# Altium PCB Dashcam.PcbDoc (part 5 of 6)
Units mm, origin at the board's own origin, x right, y up, seen from the top; angles counter-clockwise.
Board outline 90.03 x 65.03 mm, 6 copper layers (TOP, L2_GND, L3_IN1, L4_POWER, L5_GND_2, BOTTOM), stack 1.128 mm thick; 287 components, 444 nets, 1760 pads, 0 vias.
Unrouted connection lines stored in the file: 908.
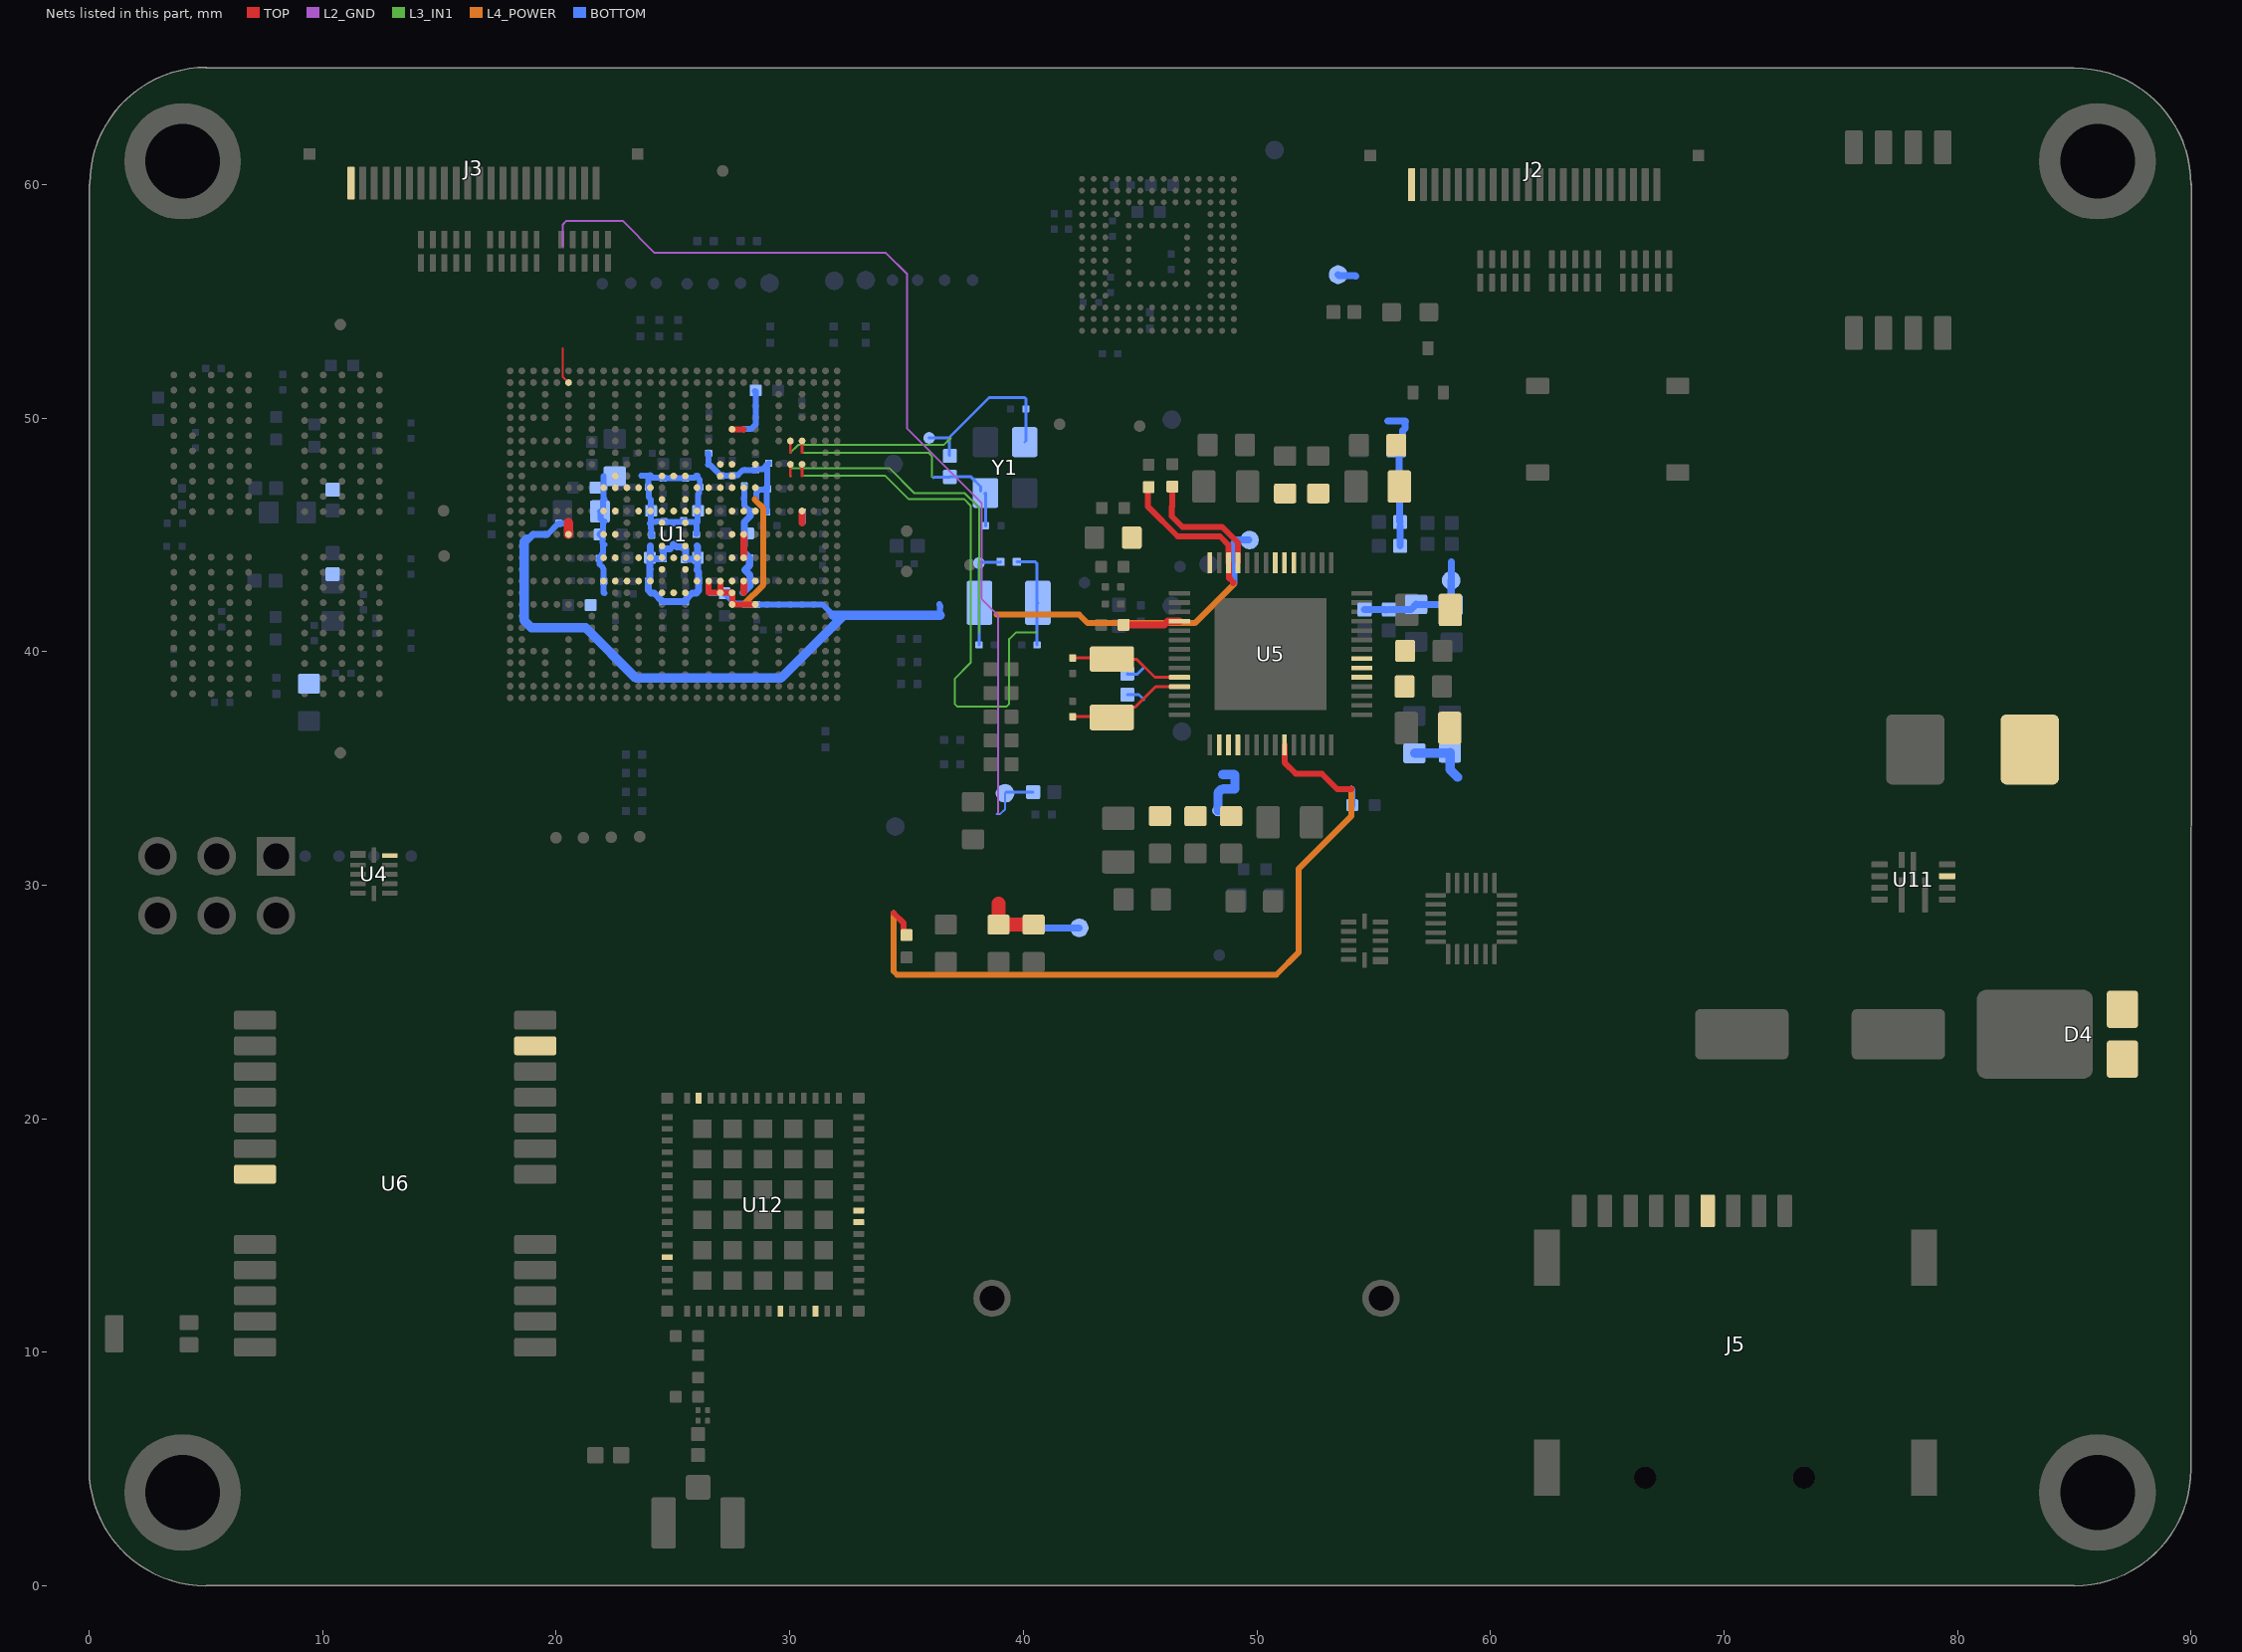
[diagram p9: the nets of this part, all layers, seen from the top]

## Nets (pads, with @x,y where several pads share a name; then routed paths per layer and width w, separated by ;. In a path a pad name is that pad's centre, name@x,y a point inside that pad or via, vN(x,y) a via of type N, cw(c..) or ccw(c..) an arc to the next point about the centre after c; other vN are vias at no path point) (continued)
VDD_ARM: C11.2 C12.2 C13.2 C14.2 C15.2 C19.2 C20.2 C21.2 C22.2 C23.2 C103.2 C104.2 L1.2 R35.2 R36.2 TP21.1 U1.T14 U1.T16 U1.U12 U1.U13 U1.U14 U1.U15 U1.U16 U1.U17 U1.V14 U1.V16 U1.W12 U1.W13 U1.W17 U1.Y14 U1.Y15 U1.Y16 | length 14.9
  BOTTOM w0.3: C20.2@23.938,43.012 23.94,43.009 23.94,42.641 24.027,42.555 ; C20.2@23.938,43.037 24.008,43.107 24.008,43.505 24.028,43.525 24.014,43.539 C11.2@24.014,43.901 ; C11.2@24.02,44.059 24.02,44.517 24.028,44.525 ; 24.028,42.525 24.048,42.505 24.191,42.505 C22.2@24.548,42.148 ; C11.2@24.04,44.002 24.063,43.979 24.57,43.979 C14.2@24.573,43.977 ; C22.2@24.573,42.148 C23.2@25.538,42.148 ; C14.2@24.573,44.002 C12.2@24.573,44.409 24.883,44.409 ; 25.002,44.601 25.031,44.601 25.147,44.485 C13.2@25.487,44.485 ; C23.2@25.487,42.174 25.819,42.505 26.008,42.505 26.028,42.525 ; C13.2@25.538,44.409 25.538,43.952 25.541,43.954 25.947,43.954 C19.2@25.995,44.002 ; 26.021,42.529 26.021,42.547 26.095,42.621 26.095,43.035 C21.2@26.097,43.037 26.095,43.04 26.095,43.429 26.028,43.496 26.028,43.525 26.048,43.545 26.048,43.95 C19.2@26.046,43.952 ; 26.028,44.525 26.048,44.505 C19.2@26.048,44.127 ; 55.603,49.891 56.34,49.891 56.365,49.866 56.345,49.846 56.345,49.566 56.246,49.468 56.246,49.074 C104.2@55.99,48.818 ; C104.2@55.971,48.799 C104.2@55.99,48.818 ; TP21.1@56.086,47.097 56.086,48.723 C104.2@55.99,48.818 ; TP21.1@56.107,47.05 56.107,45.57 R35.2@56.129,45.548 ; R36.2@56.129,44.532 R35.2@56.129,45.377
VDD_MIPI_1V2_CAP: C63.2 U1.F20 | length 2.6
  TOP w0.254: U1.F20@27.508,49.511 27.522,49.525 U1.F20@27.528,49.525 28.028,49.525
  BOTTOM w0.254: 28.028,49.525 28.035,49.532 28.339,49.532 28.538,49.731 28.538,51.137 C63.2@28.51,51.165
VDD_SNVS_0V8: C6.2 U1.N26 | length 0.9
  TOP w0.3: 30.528,45.525 U1.N26@30.528,46.025
  BOTTOM w0.3: 30.542,45.539 C6.2@30.542,45.984
VDD_SOC: C25.2 C26.2 C27.2 C28.2 C29.2 C30.2 C31.2 C32.2 C38.2 C39.2 C40.2 C41.2 C46.2 C47.2 C48.2 C49.2 C50.2 C51.2 C52.2 C53.2 C107.2 C108.2 C112.2 C113.2 L2.2 L3.2 R37.2 R38.2 TP1.1 TP39.1 U1.K10 U1.K14 U1.K15 U1.K16 U1.L9 U1.L10 U1.L11 U1.L12 U1.L13 U1.L17 U1.L18 U1.L19 U1.L20 U1.L21 U1.M14 U1.M16 U1.N9 U1.N10 U1.N12 U1.N13 U1.N14 U1.N15 U1.N16 U1.N17 U1.N18 U1.N20 U1.N21 U1.P14 U1.P16 U1.R9 U1.R10 U1.R20 U1.R21 U1.U9 U1.U10 U1.U20 U1.U21 U1.W9 U1.W10 U1.W11 U1.W20 U1.W21 U1.W22 | length 29.7
  TOP w0.3: U1.U21@28.019,44.024 28.028,44.033 28.028,44.525 28.028,45.005 28.019,45.014 28.028,45.024 U1.R21@28.028,45.025 ; 28.028,42.534 U1.W21@28.028,43.025
  BOTTOM w0.254: C41.2@21.83,44.002 21.855,43.977 21.855,43.748 21.982,43.621 ; C41.2@21.855,44.053 21.999,44.197 21.999,44.496 22.028,44.525 ; C38.2@21.858,45.018 21.985,44.891 21.985,44.66 21.999,44.646 21.999,44.595 22.007,44.587 22.058,44.587 ; C38.2@21.881,45.069 21.909,45.069 21.985,45.145 21.985,45.173 21.999,45.187 21.999,45.496 22.028,45.525 ; C40.2@21.881,46.009 21.906,45.983 21.906,45.688 22.017,45.577 22.058,45.577 ; C40.2@21.999,46.127 21.999,46.496 22.028,46.525 ; 22.028,43.525 22.031,43.522 22.031,43.014 C47.2@22.033,43.012 22.031,43.009 22.031,42.532 22.058,42.504 ; 22.028,47.525 22.031,47.522 22.031,47.076 22.056,47.05 C39.2@22.058,47.05 ; C39.2@22.033,47.05 22.031,47.048 22.031,46.57 22.058,46.542 ; 23.633,47.533 24.02,47.533 24.028,47.525 ; C28.2@23.938,47.05 23.963,47.025 23.963,46.631 ; C28.2@23.938,47.101 23.938,47.394 ; 24.014,45.501 24.039,45.526 24.039,45.537 ; 24.014,47.558 24.036,47.558 24.137,47.457 24.547,47.457 C26.2@24.573,47.431 ; 24.028,46.525 24.045,46.508 C25.2@24.045,46.017 ; C25.2@24.062,46.034 C25.2@24.045,46.017 ; C52.2@24.09,44.968 24.065,44.993 24.065,45.26 24.039,45.285 24.039,45.513 24.033,45.52 24.028,45.525 24.039,45.537 ; C31.2@24.497,45.577 24.294,45.577 24.271,45.554 24.057,45.554 24.039,45.537 ; C31.2@24.573,45.577 24.599,45.552 24.958,45.552 25.005,45.505 25.005,45.501 ; C26.2@24.573,47.406 24.598,47.431 C27.2@25.538,47.431 25.564,47.457 25.918,47.457 25.995,47.533 26.046,47.533 ; 25.028,45.525 25.057,45.554 25.439,45.554 C32.2@25.487,45.603 ; C32.2@25.538,45.577 25.564,45.552 25.995,45.552 26.021,45.526 26.051,45.557 26.051,46.011 C29.2@26.074,46.034 ; C53.2@25.995,45.044 26.012,45.044 26.012,45.509 26.028,45.525 ; 26.028,47.525 26.028,47.484 26.148,47.364 C30.2@26.148,47.076 ; C29.2@26.072,46.06 26.072,46.746 26.122,46.796 26.122,47.025 C30.2@26.148,47.05 ; 28.027,46.593 28.051,46.593 28.053,46.595 C48.2@28.053,47.101 ; 28.028,46.525 28.057,46.496 28.057,46.259 C49.2@28.307,46.009 ; 24.039,45.537 24.039,46.011 C25.2@24.045,46.017
  BOTTOM w0.3: 28.002,42.529 28.304,42.831 28.304,43.06 C51.2@28.307,43.063 ; 28.027,44.46 28.027,44.282 C50.2@28.281,44.028 28.279,44.025 28.279,43.695 28.104,43.52 ; 28.028,44.525 28.048,44.545 28.048,45.018 28.048,45.526 ; 28.053,45.526 28.053,45.555 28.307,45.809 C49.2@28.307,45.958 ; 28.078,43.52 28.078,43.491 28.281,43.288 C51.2@28.281,43.139 ; TP1.1@53.478,56.144 53.512,56.11 54.209,56.11 54.229,56.09 ; R38.2@54.612,41.807 55.509,41.807 R37.2@55.527,41.789 ; R37.2@55.654,41.807 56.599,41.807 C108.2@56.822,42.03 56.835,42.017 C107.2@58.143,42.017 ; C113.2@56.746,35.655 C113.2@56.759,35.667 ; TP39.1@58.319,43.057 58.319,42.031 C107.2@58.346,42.004 ; TP39.1@58.321,43.059 58.321,43.846
  BOTTOM w0.4: C113.2@56.759,35.667 C112.2@58.194,35.667 ; C112.2@58.27,35.68 58.27,34.956 58.6,34.626
VDDA_1V8: C7.2 C33.2 C34.2 C35.2 C36.2 C37.2 C42.2 C43.2 C44.2 C45.2 C114.2 TP41.1 U1.AA20 U1.AA22 U1.J19 U1.J20 U1.J22 U1.K19 U1.K20 U1.L22 U1.N22 U1.R6 U1.W18 U1.W19 U1.Y19 U1.Y20 U5.54 | length 67
  TOP w0.254: 26.52,42.525 26.528,42.533 U1.W18@26.528,43.025 ; 26.528,42.525 U1.Y19@26.977,42.525 ; U1.Y19@27.028,42.525 U1.Y20@27.434,42.525 ; U1.Y19@27.028,42.551 U1.W19@27.028,43.025 ; U1.Y20@27.528,42.525 27.535,42.518 27.535,42.044 27.554,42.025 28.028,42.025 U1.AA22@28.528,42.025 ; C114.2@45.341,46.97 45.341,46.208 46.611,44.938 48.421,44.938 48.788,44.571 U5.54@48.788,43.806 48.815,43.779 48.815,43.157 48.995,42.976 48.995,42.953 48.974,42.932
  TOP w0.4: U1.R6@20.528,45.025 20.528,45.525
  L4_POWER w0.254: 28.028,42.025 28.868,42.865 28.868,46.144 28.501,46.511 28.501,46.538 ; 38.864,41.585 42.394,41.585 42.756,41.223 47.341,41.223 49.024,42.906
  BOTTOM w0.254: 19.62,45.018 C34.2@20.102,45.501 20.534,45.501 ; 26.503,48.016 26.523,47.996 26.599,47.996 C43.2@27.062,47.533 ; C42.2@26.503,48.498 26.528,48.473 26.528,48.026 ; 26.58,42.555 26.58,42.532 26.598,42.513 C33.2@27.028,42.513 ; C43.2@27.088,47.533 C44.2@27.545,47.533 ; C33.2@27.215,42.501 27.662,42.054 27.969,42.054 28.002,42.021 ; C44.2@27.596,47.558 27.77,47.558 27.987,47.775 28.028,47.775 ; 28.028,42.025 C35.2@28.565,42.025 ; 28.078,47.787 28.084,47.781 28.529,47.781 C45.2@28.535,47.787 28.554,47.806 28.834,47.806 C7.2@29.044,48.016 ; 28.528,46.525 28.557,46.554 28.557,46.8 28.706,46.949 28.967,46.949 29.018,46.898 C36.2@29.018,45.984 ; C35.2@28.586,42.021 31.406,42.021 31.863,41.564 ; C37.2@29.044,46.974 C7.2@29.044,48.016 ; C7.2@29.094,48.066 C7.2@29.044,48.016 ; 36.406,42.043 36.406,42.001 36.451,41.956 36.451,41.894 36.435,41.877 36.435,41.581
  BOTTOM w0.3: 18.744,44.828 18.82,44.828 19.01,45.018 19.62,45.018 ; 49.024,42.906 49.024,44.659 49.151,44.786 TP41.1@49.659,44.786
  BOTTOM w0.4: 18.744,44.828 18.623,44.707 18.623,41.342 18.934,41.031 21.257,41.031 23.416,38.872 29.624,38.872 32.317,41.564 ; 31.863,41.564 32.317,41.564 ; 36.435,41.564 32.317,41.564
VEXT_3V3: C158.2 C159.2 C160.2 C161.2 J2.22 J3.22 U4.11
VGPS_3V3: R57.2 R58.2 R60.1 U6.7 U6.23
VIN: D4.A
VINT: C130.2 U5.4 | length 2.5
  TOP w0.3: C130.2@44.297,41.154 46.044,41.154 46.196,41.306 U5.4@46.688,41.306
VSD_3V3: C128.2 C137.2 J5.P4 U5.23 | length 34.2
  TOP w0.254: 34.445,28.809 34.877,28.377 34.877,27.994 C137.2@35.004,27.867 ; U5.23@51.188,36.006 51.188,35.257 51.666,34.778 52.784,34.778 53.444,34.118 54.054,34.118
  L4_POWER w0.254: 34.445,28.809 34.445,28.2 34.445,26.316 34.594,26.168 50.828,26.168 51.793,27.133 51.793,30.714 54.054,32.975 54.054,34.118 54.054,34.143
  BOTTOM w0.3: 54.054,34.118 54.068,34.104 C128.2@54.068,33.418
VSYS: 
VSYS_5V: C102.2 C105.2 C109.2 C111.2 C118.2 C119.2 C121.2 C126.2 C129.2 C133.2 C134.2 L7.2 TP48.1 TP56.1 U5.16 U5.17 U5.18 U5.33 U5.34 U5.35 U5.47 U5.48 U5.49 U5.53 U5.56 U11.5 | length 12.4
  TOP w0.254: C129.2@46.383,47.074 46.37,47.062 46.37,46.221 46.357,46.208 46.357,45.802 46.815,45.345 48.515,45.345 49.188,44.672 U5.53@49.188,43.806
  TOP w0.6: 38.941,29.216 C133.2@38.941,28.314 C134.2@40.439,28.314
  BOTTOM w0.3: 40.541,28.25 40.617,28.174 TP56.1@42.395,28.174 ; TP48.1@48.339,33.178 TP48.1@48.339,33.203 ; 48.491,34.115 48.491,34.143 ; 48.567,34.118 48.572,34.123 ; 49.03,34.748 49.05,34.727 49.062,34.715 ; 49.055,34.123 49.075,34.143 49.062,34.156
  BOTTOM w0.4: TP48.1@48.339,33.203 48.339,33.962 48.491,34.115 ; 48.542,34.748 49.03,34.748 ; 48.572,34.123 49.055,34.123 ; 49.062,34.156 49.062,34.715
VTREF: 
WAKEUP_BT: U12.41
WAKEUP_BT_HOST: U12.30
WAKEUP_WLAN: U12.40
WAKEUP_WLAN_HOST: U12.27
WDOG_B: R44.1 TP54.1 U1.B6 | length 45.3
  TOP w0.085: 20.278,52.99 20.278,51.774 U1.B6@20.528,51.525
  L2_GND w0.085: 20.272,57.359 20.272,58.276 20.447,58.452 22.845,58.452 24.216,57.08 34.112,57.08 35.027,56.166 35.027,49.554 38.225,46.355 38.225,42.248 38.913,41.561 38.913,33.103 38.964,33.052
  BOTTOM w0.085: 38.862,33.052 39.014,33.052 39.22,33.257 TP54.1@39.22,33.94
  BOTTOM w0.127: TP54.1@39.271,33.991 R44.1@40.421,33.991
WIFI_1V8: U12.14 U12.63
XIN_32K: C131.2 R50.1 U5.10 Y3.1 | length 5.8
  TOP w0.127: C131.2@42.116,39.731 43.747,39.731 Y3.1@43.792,39.686 43.797,39.681 44.858,39.681 45.634,38.906 U5.10@46.688,38.906
  BOTTOM w0.127: R50.1@44.452,39.064 44.486,39.03 44.868,39.03 45.164,39.325
XOUT_32K: C132.2 R50.2 U5.11 Y3.2 | length 6.2
  TOP w0.127: C132.2@42.116,37.217 43.761,37.217 Y3.2@43.792,37.186 ; Y3.2@43.589,36.963 44.261,37.635 44.794,37.635 45.665,38.506 U5.11@46.688,38.506
  BOTTOM w0.127: R50.2@44.452,38.164 44.95,38.164 45.16,37.953 45.164,37.953
XTALI_24M: C68.2 R13.1 TP17.1 U1.G25 Y1.3 | length 15.2
  TOP w0.12: 30.028,48.525 U1.G25@30.028,49.025
  L3_IN1 w0.085: 30.028,48.525 30.355,48.853 32.946,48.853 32.972,48.853 36.592,48.853 36.876,49.136
  BOTTOM w0.085: R13.1@36.832,48.411 R13.1@36.858,48.385 ; Y1.3@40.06,48.975 Y1.3@40.109,49.023
  BOTTOM w0.127: TP17.1@35.969,49.155 35.98,49.166 36.847,49.166 36.876,49.136 ; R13.1@36.832,48.411 36.832,49.18 38.534,50.882 40.059,50.882 40.109,50.832 C68.2@40.109,50.399 Y1.3@40.109,49.023
XTALI_32K: C66.2 R12.1 TP14.1 U1.J25 Y2.2 | length 19.4
  TOP w0.12: 30.028,47.525 U1.J25@30.028,48.025
  L3_IN1 w0.085: 30.046,47.543 30.028,47.525 30.025,47.528 30.025,47.783 30.101,47.859 34.267,47.859 35.333,46.793 37.49,46.793 38.102,46.181 38.102,40.823
  BOTTOM w0.127: C66.2@38.102,40.29 38.102,40.823 38.102,42.073 Y2.2@38.122,42.093 38.102,42.113 TP14.1@38.102,43.795 38.128,43.821 38.997,43.821 R12.1@39.022,43.846
XTALO_24M: C69.2 R13.2 U1.G26 Y1.1 | length 10.9
  TOP w0.12: 30.528,48.525 U1.G26@30.528,49.025
  L3_IN1 w0.085: 30.528,48.525 35.938,48.525 36.096,48.367 36.096,47.478
  BOTTOM w0.127: 36.147,47.453 36.172,47.478 36.851,47.478 R13.2@36.858,47.485 37.765,47.485 38.176,47.074 Y1.1@38.176,46.869 ; Y1.1@38.352,46.767 Y1.1@38.38,46.795 38.382,46.793 C69.2@38.382,45.395
XTALO_32K: C67.2 R12.2 U1.J26 Y2.1 | length 27.9
  TOP w0.12: 30.528,47.525 U1.J26@30.528,48.025
  L3_IN1 w0.085: 30.532,47.529 34.089,47.529 35.079,46.539 37.467,46.539 37.747,46.259 37.747,39.528 37.061,38.842 37.061,37.775 37.188,37.648 39.271,37.648 39.398,37.775 39.398,40.544 39.677,40.823 40.592,40.823
  BOTTOM w0.127: R12.2@39.722,43.846 40.517,43.846 40.591,43.772 40.591,42.124 Y2.1@40.622,42.093 40.592,42.063 40.592,40.823 C67.2@40.591,40.29
pads on no net: D10.1 D10.2 D10.9 D10.10 D13.1 D13.2 D13.9 D13.10 H1.1 H2.1 H3.1 H4.1 J5. J5.P1 J5.P2 J5.P3 J5.P5 J5.P7 J5.P8 S1.3 S1.4 SW1.1 SW1.2 U1.A14 U1.A15 U1.A16 U1.A17 U1.A18 U1.A19 U1.A20 U1.A21 U1.A22 U1.A23 U1.A24 U1.A25 U1.A26 U1.A27 U1.A28 U1.AC4 U1.AC5 U1.AC22 U1.AD22 U1.AD28 U1.AD29 U1.AE22 U1.AF22 U1.AH22 U1.AH23 U1.AH24 U1.AH25 U1.AH26 U1.AH27 U1.AJ23 U1.AJ24 U1.AJ25 U1.AJ26 U1.AJ27 U1.B11 U1.B14 U1.B15 U1.B16 U1.B17 U1.B18 U1.B19 U1.B20 U1.B21 U1.B22 U1.B23 U1.B24 U1.B25 U1.B26 U1.B27 U1.B28 U1.B29 U1.C28 U1.C29 U1.D16 U1.D28 U1.D29 U1.E12 U1.E16 U1.E28 U1.E29 U1.F28 U1.F29 U1.G4 U1.G28 U1.G29 U1.H28 U1.H29 U1.J5 U1.J28 U1.L5 U1.N1 U1.N2 U1.P1 U1.R4 U1.R5 U1.T2 U1.U1 U1.U2 U1.W6 U2.A1 U2.A2 U2.A11 U2.A12 U2.AA1 U2.AA12 U2.AB1 U2.AB2 U2.AB11 U2.AB12 U2.B1 U2.B12 U2.G11 U2.K5 U2.K8 U2.N5 U2.N8 U3.A1 U3.A2 U3.A7 U3.A8 U3.A9 U3.A10 U3.A11 U3.A12 U3.A13 U3.A14 U3.B1 U3.B7 U3.B8 U3.B9 U3.B10 U3.B11 U3.B12 U3.B13 U3.B14 U3.C1 U3.C3 U3.C5 U3.C7 U3.C8 U3.C9 U3.C10 U3.C11 U3.C12 U3.C13 U3.C14 U3.D1 U3.D2 U3.D3 U3.D4 U3.D12 U3.D13 U3.D14 U3.E1 U3.E2 U3.E3 U3.E5 U3.E8 U3.E9 U3.E10 U3.E12 U3.E13 U3.E14 U3.F1 U3.F2 U3.F3 U3.F10 U3.F12 U3.F13 U3.F14 U3.G1 U3.G2 U3.G3 U3.G10 U3.G12 U3.G13 U3.G14 U3.H1 U3.H2 U3.H3 U3.H12 U3.H13 U3.H14 U3.J1 U3.J2 U3.J3 U3.J12 U3.J13 U3.J14 U3.K1 U3.K2 U3.K3 U3.K6 U3.K7 U3.K10 U3.K12 U3.K13 U3.K14 U3.L1 U3.L2 U3.L3 U3.L12 U3.L13 U3.L14 U3.M1 U3.M2 U3.M3 U3.M7 U3.M8 U3.M9 U3.M10 U3.M11 U3.M12 U3.M13 U3.M14 U3.N1 U3.N3 U3.N6 U3.N7 U3.N8 U3.N9 U3.N10 U3.N11 U3.N12 U3.N13 U3.N14 U3.P1 U3.P2 U3.P7 U3.P8 U3.P9 U3.P10 U3.P11 U3.P12 U3.P13 U3.P14 U5.6 U6.14 U6.15 U6.16 U6.17 U8.1 U8.2 U8.3 U8.4 U8.5 U8.6 U8.7 U8.14 U8.15 U8.16 U8.17 U8.19 U8.21 U11.4 U12.3 U12.4 U12.5 U12.6 U12.8 U12.28 U12.29 U12.38 U12.39 U12.44
copper on no net: | length 353.8
  TOP w0.085: 4.428,51.2 4.465,51.2 ; 4.786,51.521 4.812,51.521 ; 28.02,51.525 28.269,51.774 28.269,53.546 28.262,53.554 ; 28.02,52.025 28.02,53.55 28.028,53.558 ; 28.528,51.525 28.777,51.774 28.777,53.546 28.77,53.554 ; 28.528,52.025 28.528,53.55 28.536,53.558 ; 29.028,38.525 29.277,38.276 29.277,36.586 29.327,36.536 29.562,36.536 29.593,36.505 ; 29.028,51.525 29.277,51.774 29.277,53.498 29.27,53.506 ; 29.028,52.025 29.028,53.498 29.036,53.506 ; 29.528,51.525 29.777,51.774 29.777,53.498 29.77,53.506 ; 29.528,52.025 29.528,53.498 29.536,53.506 ; 30.028,51.525 30.277,51.774 30.277,53.546 30.27,53.554 ; 30.028,52.025 30.028,53.55 30.036,53.558 ; 30.528,51.525 30.777,51.774 30.777,52.99 ; 30.528,52.025 30.528,52.99 ; 31.028,51.525 31.277,51.774 31.277,52.711 ; 31.028,52.025 31.028,52.702 31.036,52.71 31.036,52.99 ; 31.528,40.525 31.774,40.279 32.396,40.279 32.436,40.24 ; 31.528,48.025 31.794,48.291 32.946,48.291 32.972,48.291 ; 31.528,48.525 31.567,48.564 31.662,48.564 31.884,48.787 32.474,48.787 32.972,48.787 ; 31.528,49.025 31.786,49.283 31.935,49.283 32.946,49.283 32.972,49.283 ; 31.528,49.525 31.786,49.783 32.946,49.783 ; 31.528,50.025 31.567,50.064 31.663,50.064 31.884,50.285 32.972,50.285 ; 31.528,50.525 31.8,50.797 32.972,50.797 ; 31.528,51.025 31.766,51.263 32.946,51.263 32.972,51.263 ; 31.528,52.025 31.528,52.681 31.549,52.702 ; 31.536,51.5 31.803,51.767 31.803,52.685 31.783,52.706 ; 32.028,40.525 32.71,40.525 32.893,40.342 32.893,40.113 32.664,39.884 32.664,38.312 ; 32.028,48.525 32.972,48.525 ; 32.028,49.025 32.04,49.013 32.381,49.013 32.972,49.013 ; 32.028,49.525 32.036,49.517 32.972,49.517 ; 32.028,50.025 32.036,50.017 32.972,50.017 ; 32.028,50.525 32.041,50.512 32.972,50.512 ; 32.028,51.025 32.037,51.016 32.972,51.016 ; 32.028,51.533 32.052,51.509 32.382,51.509 32.964,51.509 32.972,51.516
  TOP w0.086: 5.228,40.15 5.265,40.15 5.59,39.825 5.628,39.825 ; 5.228,40.8 5.265,40.8 5.59,40.475 5.628,40.475 ; 5.228,49.25 5.265,49.25 5.59,49.575 5.628,49.575 ; 5.228,49.9 5.273,49.9 5.583,50.21 5.628,50.21 ; 6.028,43.4 6.065,43.4 6.39,43.725 6.428,43.725 ; 6.028,46.649 6.428,46.249 ; 6.828,43.4 6.859,43.4 7.197,43.738 7.228,43.738 ; 6.828,46.65 6.865,46.65 7.191,46.324 7.228,46.324 ; 10.4,49.514 10.564,49.514 10.828,49.25 ; 10.4,50.225 10.465,50.225 10.79,49.9 ; 10.428,39.796 10.451,39.796 10.805,40.15 10.828,40.15 ; 10.428,40.487 10.471,40.487 10.784,40.8 10.828,40.8 ; 10.79,49.9 10.828,49.9 10.79,49.9
  TOP w0.093: 32.946,49.783 32.972,49.783
  TOP w0.102: 32.972,50.797 33.073,50.797 33.08,50.79 ; 32.972,51.016 33.184,51.016
  TOP w0.109: 32.972,48.787 33.05,48.787 33.054,48.783 ; 32.972,49.013 33.154,49.013
  TOP w0.11: 32.972,50.285 33.075,50.285 ; 32.972,50.512 32.975,50.516
  TOP w0.117: 27.175,54.422 27.49,54.108 27.85,54.108 28.028,53.93 28.028,53.558 ; 27.409,55.809 27.409,54.519 27.587,54.342 27.947,54.342 28.262,54.027 28.262,53.554 ; 28.356,54.608 28.536,54.429 28.536,53.558 ; 28.59,55.772 28.59,54.705 28.77,54.526 28.77,53.554 ; 29.036,53.506 29.036,54.368 29.056,54.407 29.098,54.451 29.123,54.476 29.428,54.791 29.949,55.33 29.949,55.636 ; 29.27,53.506 29.27,54.271 29.29,54.312 30.183,55.233 ; 29.536,53.506 29.536,54.224 29.585,54.287 29.641,54.346 30.731,55.475 ; 29.77,53.506 29.77,54.127 29.819,54.193 30.965,55.378 ; 30.036,53.558 30.036,54.103 31.575,55.642 ; 30.27,53.554 30.27,54.006 31.809,55.545 ; 30.528,52.99 30.528,53.661 30.543,53.677 30.543,53.737 31.25,54.443 32.012,54.443 32.712,55.144 ; 30.777,52.99 30.777,53.64 31.347,54.209 32.109,54.209 32.946,55.047 ; 31.036,52.99 31.036,53.315 31.555,53.834 32.367,53.834 33.556,55.022 ; 31.277,52.711 31.27,52.718 31.27,52.99 31.27,53.218 31.652,53.6 32.464,53.6 33.79,54.925 ; 31.549,52.702 31.549,53.011 31.813,53.275 32.723,53.275 34.318,54.87 ; 31.783,52.706 31.783,52.914 31.91,53.041 32.82,53.041 34.552,54.773 ; 32.972,48.291 34.095,48.291 39.626,53.823 39.626,60.415 ; 32.972,48.525 33.998,48.525 39.392,53.92 39.392,58.939 39.392,58.997 ccw(c39.259,58.997) 39.259,59.131 39.185,59.131 cw(c39.185,59.264) 39.185,59.398 39.259,59.398 ccw(c39.259,59.531) 39.259,59.665 39.185,59.665 cw(c39.185,59.798) 39.185,59.932 39.259,59.932 ccw(c39.259,60.065) 39.392,60.065 39.392,60.432 39.392,60.464 39.247,60.609 39.247,60.686 ; 32.972,49.283 33.811,49.283 38.086,53.558 ; 32.972,49.517 33.714,49.517 33.816,49.619 37.852,53.655 37.852,57.724 ; 32.972,49.783 33.628,49.783 37.363,53.518 ; 32.972,50.017 33.531,50.017 37.129,53.615 ; 32.972,51.263 33.124,51.263 35.362,53.501 ; 32.972,51.516 33.047,51.516 33.562,52.032 33.603,52.073 ccw(c33.509,52.167) 33.603,52.262 33.542,52.323 cw(c33.636,52.418) 33.542,52.512 cw(c33.636,52.418) 33.731,52.512 33.792,52.451 ccw(c33.886,52.545) 33.981,52.451 ccw(c33.886,52.545) 33.981,52.639 33.919,52.701 cw(c34.014,52.795) 33.919,52.89 cw(c34.014,52.795) 34.108,52.89 34.17,52.828 ccw(c34.264,52.923) 34.358,52.828 34.591,53.06 35.128,53.598 ; 32.975,50.516 32.978,50.519 33.325,50.519 36.582,53.776 ; 33.054,48.783 33.058,48.779 33.945,48.779 38.763,53.597 ; 33.075,50.285 33.422,50.285 36.816,53.679 ; 33.08,50.79 33.087,50.782 33.281,50.782 36.147,53.648 ; 33.154,49.013 33.848,49.013 38.529,53.694 38.529,57.033 ; 33.184,51.016 35.913,53.745 ; 39.626,60.473 39.626,60.481 39.753,60.608 39.753,60.686
  TOP w0.12: 4.028,41.125 4.065,41.125 4.39,40.8 4.428,40.8 ; 4.028,41.769 4.068,41.769 4.387,41.45 4.428,41.45 ; 4.028,48.275 4.065,48.275 4.39,48.6 4.428,48.6 ; 4.428,42.75 4.465,42.75 4.79,43.075 4.828,43.075 ; 4.428,43.4 4.465,43.4 4.79,43.725 4.828,43.725 ; 4.428,46.65 4.465,46.65 4.79,46.325 4.828,46.325 ; 4.428,47.3 4.465,47.3 4.79,46.975 4.828,46.975 ; 4.428,49.25 4.753,48.925 5.628,48.925 ; 4.428,50.55 4.465,50.55 4.79,50.875 4.828,50.875 ; 5.193,42.809 5.214,42.787 5.303,42.787 5.59,43.075 5.628,43.075 ; 5.228,42.75 5.265,42.75 ; 5.228,47.3 5.265,47.3 5.59,46.975 5.628,46.975 ; 6.028,38.85 6.065,38.85 6.39,38.525 6.428,38.525 ; 6.028,39.5 6.03,39.5 6.426,39.104 6.428,39.104 ; 6.028,40.8 6.072,40.8 6.384,40.488 6.428,40.488 ; 6.028,41.45 6.065,41.45 6.39,41.125 6.428,41.125 ; 6.028,42.75 6.065,42.75 ; 6.028,47.3 6.065,47.3 6.39,46.975 6.428,46.975 ; 6.028,48.6 6.065,48.6 6.39,48.925 6.428,48.925 ; 6.028,49.25 6.051,49.25 6.27,49.469 6.431,49.469 6.438,49.476 ; 6.028,50.55 6.047,50.55 6.408,50.911 6.428,50.911 ; 6.028,51.2 6.06,51.2 6.396,51.536 6.428,51.536 ; 6.031,42.758 6.073,42.758 6.39,43.075 6.428,43.075 ; 8.828,43.075 8.865,43.075 9.19,43.4 9.228,43.4 ; 8.828,46.65 9.228,46.65 ; 9.593,43.074 9.658,43.074 9.981,42.75 10.028,42.75 ; 9.628,46.329 9.667,46.329 9.988,46.65 10.028,46.65 ; 9.628,46.883 9.628,46.891 10.028,47.291 10.028,47.3 ; 9.776,43.605 9.981,43.4 10.028,43.4 ; 10.828,42.75 10.865,42.75 11.19,43.075 11.228,43.075 ; 10.828,47.3 10.863,47.3 11.192,46.971 11.227,46.971 ; 11.619,42.783 11.699,42.783 11.99,43.075 12.028,43.075 ; 11.628,42.75 11.665,42.75 ; 11.628,43.4 11.665,43.4 ; 11.628,47.3 11.674,47.3 11.985,46.989 12.042,46.989 ; 11.644,43.444 11.651,43.437 11.703,43.437 11.99,43.725 12.028,43.725